# Altium PCB AltitudeDynamicsControlBoard.PcbDoc (part 2 of 3) (continued)
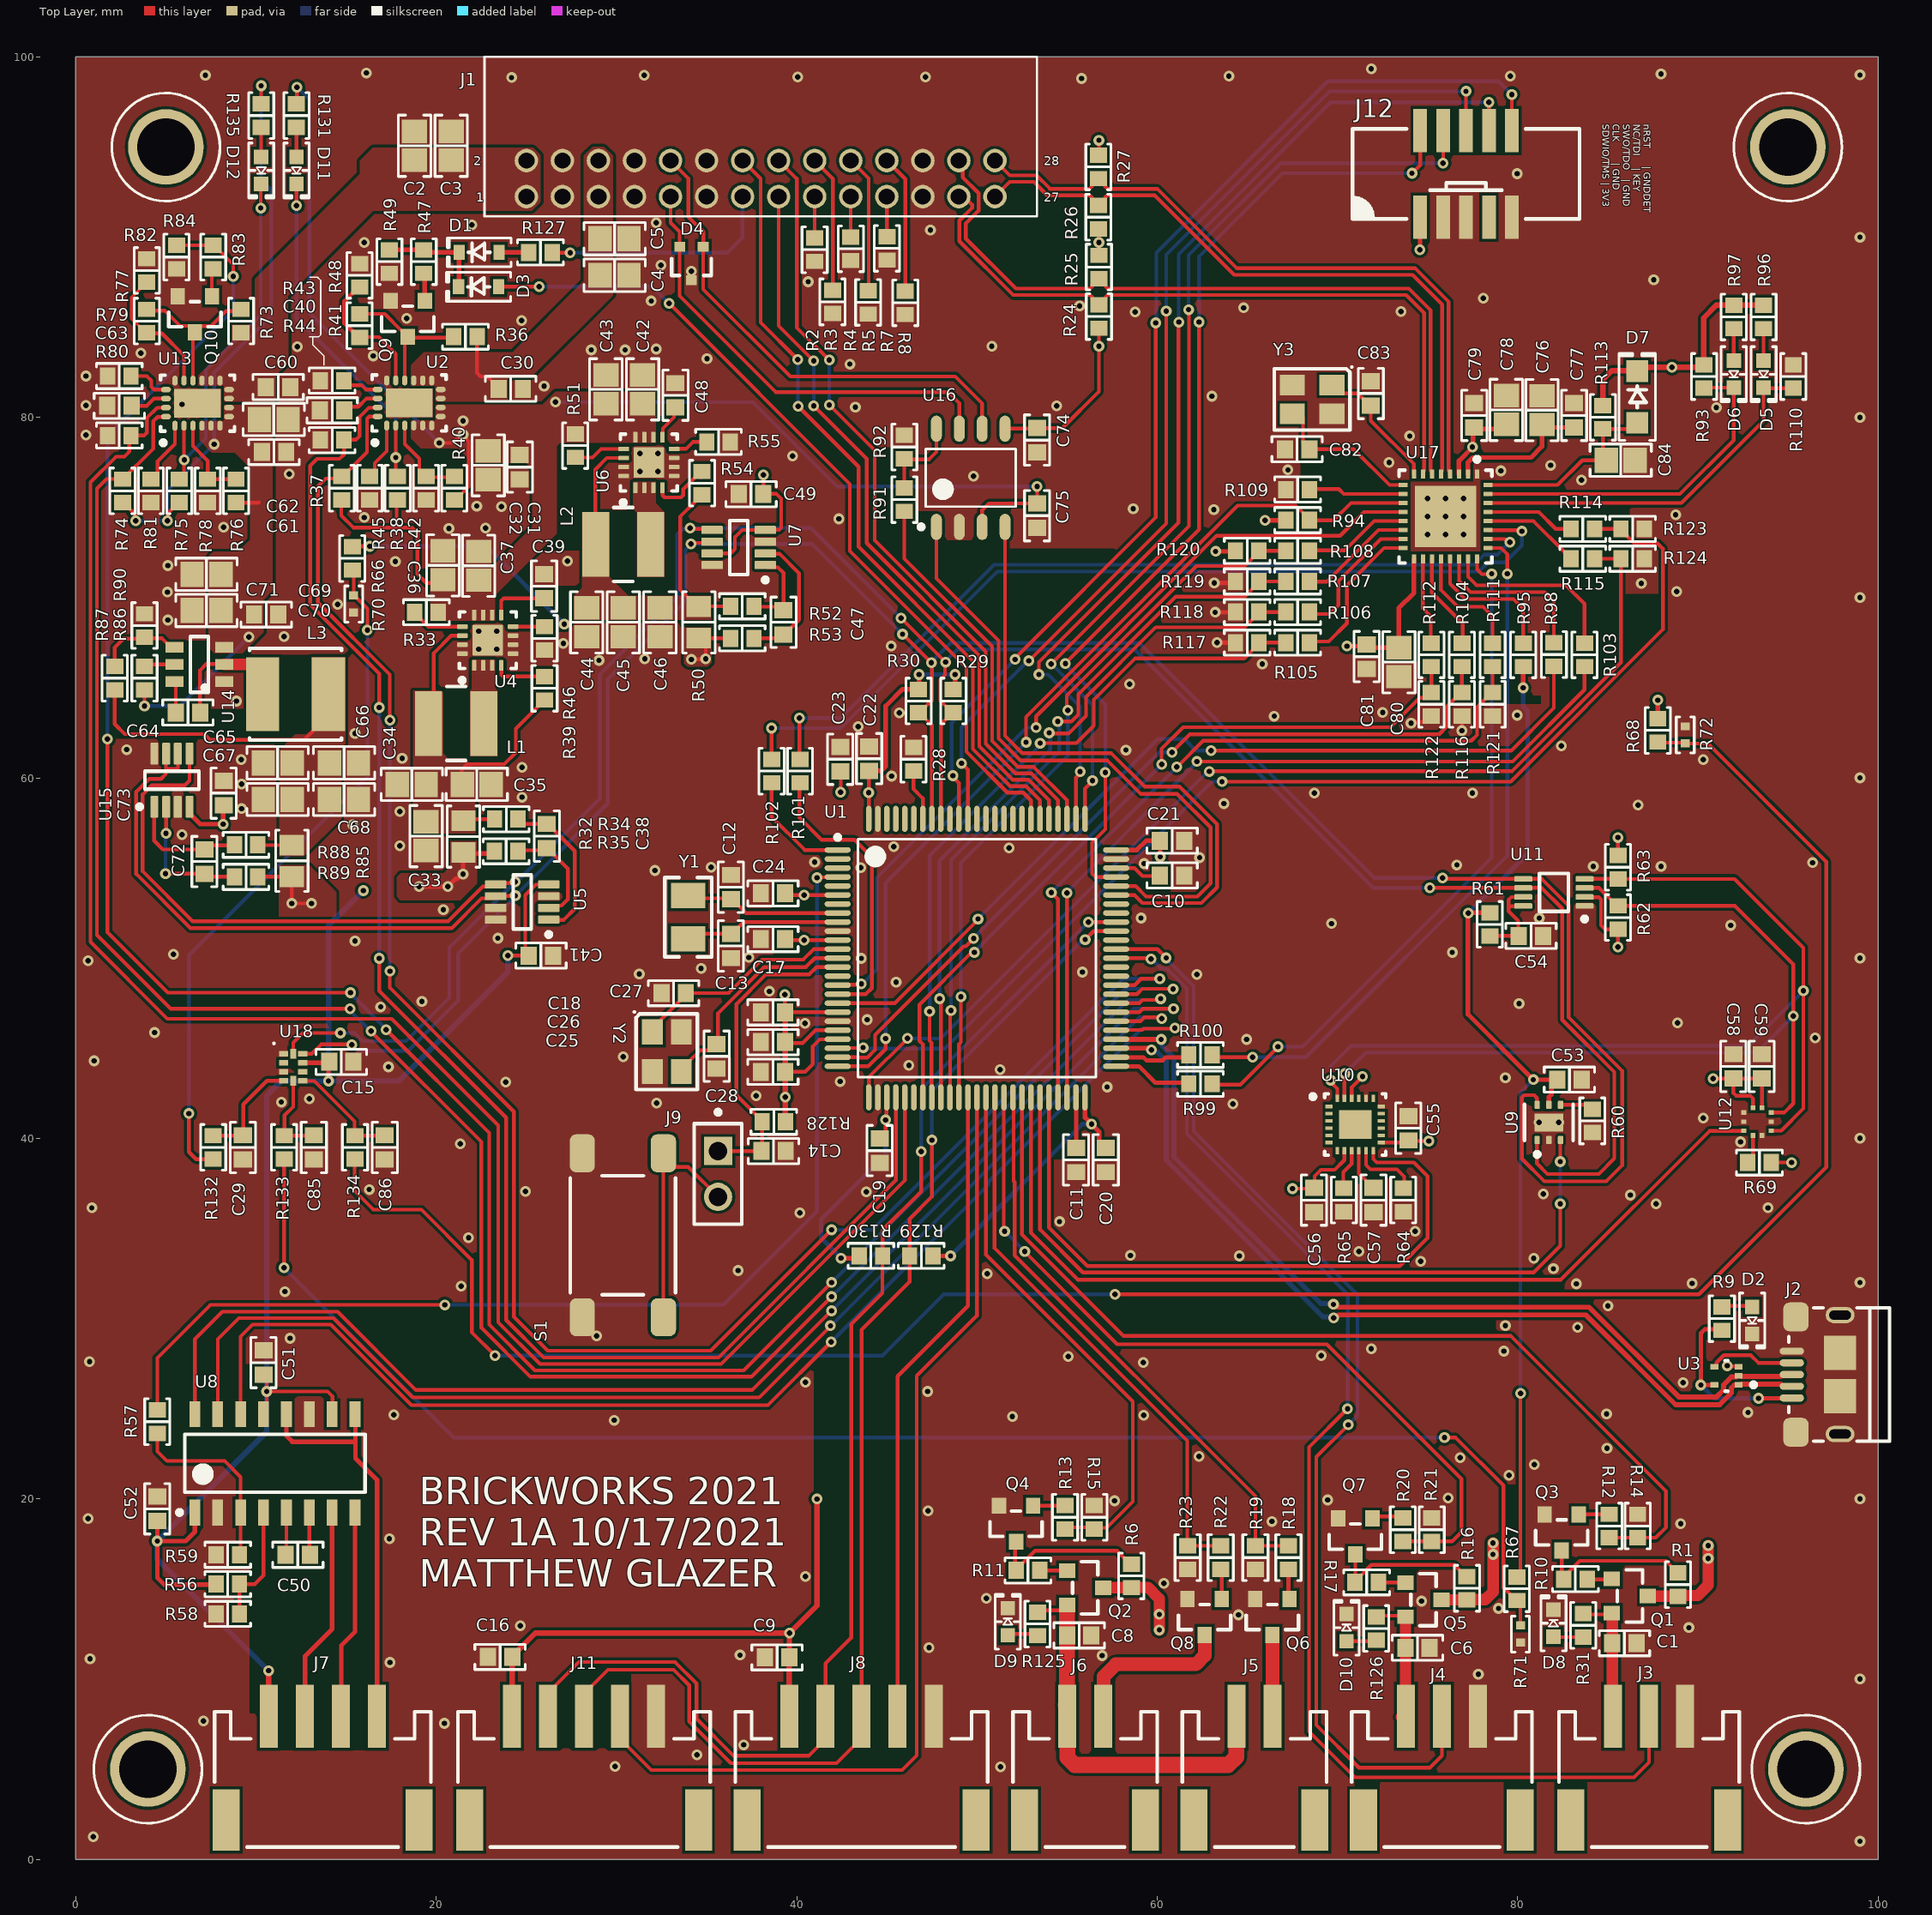
[diagram p0: Top Layer view]
## Nets (pads, with @x,y where several pads share a name; then routed paths per layer and width w, separated by ;. In a path a pad name is that pad's centre, name@x,y a point inside that pad or via, vN(x,y) a via of type N, cw(c..) or ccw(c..) an arc to the next point about the centre after c; other vN are vias at no path point) (continued)
  Bottom Layer w0.203: v1(80.162,25.857) 80.162,42.545 v1@80.823,43.205
  Bottom Layer w0.254: v1(16.307,72.847) 22.784,72.847 v1(27.102,68.529) ; v1(42.467,33.352) 41.351,34.468 41.351,35.509 44.933,39.091 v1(44.933,41.021) ; v1(46.787,65.735) v1(48.789,65.735) ; v1(48.539,33.477) 55.855,40.792 v1(56.363,40.792) ; v1(77.267,52.502) 80.559,55.794 80.559,63.715 80.315,63.959 v1(80.315,64.999)
  Bottom Layer w0.305: v1(10.693,10.465) 4.521,16.637 v1(4.521,17.653) 10.592,23.724 v1(10.592,25.959) 10.592,42.367 11.405,43.18 v1(14.021,43.18) ; v1(15.951,53.746) 14.021,51.816 v1(14.021,43.18) ; v1@23.952,50.165 v1(23.978,50.14) 23.978,49.225 17.932,43.18 v1(14.021,43.18)
+5: C31.2 C32.2 C36.2 C37.2 C42.2 C43.2 C75.2 Q2.3 R6.2 R33.2 R37.2 R38.2 R40.2 R51.2 R131.1 U2.4 U2.5 U2.6 U2.7 U2.8 U4.10 U4.11 U4.12 U6.10 U6.11 U6.12 U16.3 | length 79.8
  Top Layer w0.203: R131.1@12.243,97.399 12.268,97.424 v1(12.268,98.323) ; R37.2@14.402,75.1 14.725,75.423 R37.2@14.757,75.423 ; R37.2@14.732,75.133 14.732,74.549 15.392,73.889 18.644,73.889 18.948,73.584 18.948,71.323 19.456,70.815 C36.2@20.015,70.815 ; 17.805,73.914 17.805,75.372 R38.2@17.856,75.423 ; v1(20.168,78.588) 20.904,78.588 21.361,79.045 v1@21.463,79.045 ; R40.2@21.006,75.423 21.056,75.423 21.793,76.16 21.793,78.671 21.463,79.001 v1@21.463,79.045 ; v1@21.463,79.096 v1@21.463,79.045 ; v1(21.488,79.045) v1(21.488,79.807) ; U16.3@50.241,74.219 50.292,74.27 50.292,74.854 50.662,75.224 C75.2@53.34,75.224 v1(53.34,76.175)
  Top Layer w0.635: Q2.3@56.921,15.088 56.942,15.067 58.567,15.067 R6.2@58.572,15.073 58.587,15.088 59.487,15.088 60.122,14.453 v1(60.122,12.725)
  Bottom Layer w0.203: v1(12.268,98.323) 12.954,97.638 12.954,85.801 v1(20.168,78.588) ; v1(26.619,80.848) 37.567,80.848 42.24,76.175 v1(53.34,76.175)
  other v1: 60.122,13.589
+5_Supply: C4.2 C5.2 C30.2 J1.5 J1.6 R36.2 U2.9 U2.10 U2.11 U2.12 U2.13 | length 3.6
  Top Layer w0.203: R36.2@22.265,84.48 22.265,82.459 22.454,82.271 22.819,82.271 23.444,81.646 C30.2@23.444,81.585
+12: C61.2 C62.2 C69.2 C70.2 C71.1 R74.2 R75.2 R76.2 R86.1 R135.2 U13.4 U13.5 U13.6 U13.7 U13.8 U14.3 | length 41.9
  Top Layer w0.203: R74.2@2.591,75.271 2.641,75.271 3.279,74.633 3.279,74.242 v1@3.302,74.219 ; v1(3.81,63.983) R86.1@3.81,64.882 ; v1(5.08,74.27) 5.129,74.318 5.129,74.709 5.69,75.271 R75.2@5.74,75.271 ; R76.2@8.738,75.209 8.799,75.271 R76.2@8.89,75.271 10.145,75.271 10.16,75.286 ; R135.2@10.287,97.399 v1(10.287,98.4)
  Bottom Layer w0.203: v1(3.327,74.27) v1(5.08,74.27) ; v1(3.81,63.983) 5.766,63.983 v1(9.601,67.818) ; v1@5.131,74.27 5.129,74.272 5.129,74.387 5.08,74.436 5.08,75.921 v1(7.671,78.511) 7.671,82.474 10.846,85.649 10.846,92.608 10.287,93.167 v1(10.287,98.4)
+12_Supply: C2.2 C3.2 C60.2 J1.1 J1.2 R73.2 U13.9 U13.10 U13.11 U13.12 U13.13
ETH_RX_N: J1.28 R27.1 U17.4 | length 38.6
  Top Layer w0.208: J1.28@51,94.25 51.82,93.43 53.311,93.43 54.054,92.687 56.251,92.687 56.372,92.808 56.372,92.933 56.694,93.254 56.794,93.254 57.115,92.933 57.115,92.808 57.236,92.687 60.012,92.687 64.427,88.271 74.322,88.271 76.18,86.413 76.18,77.055 76.25,76.985 U17.4@76.25,76.85
ETH_RX_P: J1.27 R26.1 U17.5 | length 38
  Top Layer w0.208: J1.27@51,92.25 51.82,93.07 53.162,93.07 53.905,92.327 56.251,92.327 56.372,92.205 56.372,92.081 56.694,91.76 56.794,91.76 57.115,92.081 57.115,92.205 57.236,92.327 59.862,92.327 64.278,87.911 74.173,87.911 75.82,86.264 75.82,77.055 75.75,76.985 U17.5@75.75,76.85
ETH_TX_N: J1.26 R25.1 U17.6 | length 42.2
  Top Layer w0.208: J1.26@49,94.25 49.209,94.041 49.209,93.323 50.094,92.438 50.094,91.475 49.388,90.769 49.388,89.924 52.163,87.15 56.276,87.15 56.398,87.271 56.398,87.37 56.719,87.691 56.819,87.691 57.14,87.37 57.14,87.271 57.262,87.15 73.97,87.15 75.18,85.94 75.18,77.055 75.25,76.985 U17.6@75.25,76.85
ETH_TX_P: J1.25 R24.1 U17.7 | length 40.2
  Top Layer w0.208: J1.25@49,92.25 49.28,92.25 49.734,91.796 49.734,91.624 49.028,90.919 49.028,89.775 52.014,86.79 56.276,86.79 56.398,86.668 56.398,86.569 56.719,86.248 56.819,86.248 57.14,86.569 57.14,86.668 57.262,86.79 73.821,86.79 74.82,85.791 74.82,77.055 74.75,76.985 U17.7@74.75,76.85
GND: C1.1 C2.1 C3.1 C4.1 C5.1 C6.1 C8.1 C9.1 C10.1 C11.1 C12.1 C13.1 C14.1 C15.1 C16.1 C17.1 C18.1 C19.1 C20.1 C21.1 C22.1 C23.1 C24.1 C25.1 C26.1 C27.1 C28.1 C29.1 C30.1 C31.1 C32.1 C33.1 C34.1 C35.1 C36.1 C37.1 C39.1 C40.1 C41.1 C42.1 C43.1 C44.1 C45.1 C46.1 C48.1 C49.1 C51.1 C52.1 C53.1 C54.1 C55.1 C56.1 C57.1 C58.1 C59.1 C60.1 C61.1 C62.1 C63.1 C65.1 C66.1 C67.1 C68.1 C69.1 C70.1 C71.2 C73.1 C74.1 C75.1 C76.1 C77.1 C78.1 C79.1 C80.1 C81.1 C82.2 C83.2 C84.1 C85.1 C86.1 D2.2 D4.3 D8.2 D9.2 D10.2 J1.3 J1.4 J1.7 J1.8 J1.11 J1.12 J1.23 J1.24 J2.5 J2.S J3.1 J4.1 J8.1 J11.1 J12.2 J12.3 J12.5 Q3.2 Q4.2 Q6.2 Q7.2 Q8.2 Q9.2 Q10.2 R2.2 R3.2 R4.2 R5.2 R7.2 R8.2 R14.1 R15.1 R19.1 R21.1 R23.1 R28.2 R42.1 R43.1 R44.1 R45.1 R46.1 R48.1 R49.1 R55.1 R58.1 R59.1 R60.1 R64.2 R65.2 R70.1 R71.1 R72.1 R78.1 R79.1 R80.1 R81.1 R82.1 R84.1 R90.1 R92.1 R109.1 R110.1 R116.1 R117.1 R118.1 R119.1 R121.1 R122.1 R123.1 R124.1 S1.1 S1.2 U1.10 U1.20 U1.27 U1.74 U1.99 U2.16 U2.21 U3.3 U4.5 U4.6 U4.7 U4.15 U4.16 U4.17@22.86,67.64 U5.3 U5.7 U5.8 U6.5 U6.6 U6.7 U6.15 U6.16 U6.17@31.8,77.5 U7.3 U7.8 U8.2 U8.11 U9.2 U9.7 U10.18 U10.20 U11.1 U12.3 U12.5 U12.8 U12.9 U13.16 U13.21 U14.1 U15.3 U15.8 U16.2 U17.1 U17.33 U18.1 U18.3 Y2.2 Y2.4 Y3.2 Y3.4 | length 6.4
  Top Layer w0.203: v1(74.092,63.043) 74.16,63.111 74.892,63.111 R122.1@75.216,63.434 ; J12.2@75.819,91.161 J12.2@75.87,91.211 ; v1(76.911,62.617) 76.911,63.43 R116.1@76.916,63.434 ; R121.1@78.616,63.434 R121.1@78.732,63.551 ; v1(91.643,27.381) 91.673,27.352 92.238,27.352 U3.3@92.267,27.322
  Top Layer w0.254: v1(63.17,70.815) 64.265,70.815 R119.1@64.35,70.9 ; v1(63.221,69.19) 64.34,69.19 R118.1@64.35,69.2 ; v1(63.322,67.513) 64.337,67.513 R117.1@64.35,67.5
  other v1: 99,1 0.965,1.245 51.308,5.131 29.921,5.156 34.468,5.791 37.059,6.35 20.447,7.544 7.087,7.671 99,10 77.826,10.262 17.424,10.922 0.787,11.125 56.947,11.303 36.855,11.328 47.346,11.735 89.51,12.852 24.663,12.954 64.516,13.564 78.943,13.919 74.676,14.326 50.521,14.478 60.376,15.316 40.488,15.697 17.399,17.78 89.052,18.618 66.37,18.745 0.686,18.898 47.295,19.329 57.633,19.888 69.469,19.939 99,20 76.149,20.041 79.527,21.311 80.924,21.895 76.81,22.276 62.332,22.352 84.963,22.809 29.87,24.359 51.968,24.562 59.258,24.638 17.653,24.663 84.938,24.714 92.786,24.79 47.269,25.959 89.179,26.441 40.488,26.467 59.233,27.559 0.762,27.61 55.067,27.889 69.113,27.94 79.248,28.194 71.882,28.321 11.887,28.905 28.905,29.032 83.337,29.515 79.324,29.615 85.014,30.709 11.608,31.496 21.387,31.801 83.261,31.928 89.687,31.953 99,32 50.571,32.487 36.754,32.664 81.991,32.766 74.625,33.172 80.899,33.35 64.567,33.477 58.522,33.503 71.196,33.731 21.793,34.493 74.32,34.849 54.585,35.382 40.183,35.865 0.889,36.144 93.904,36.144 87.681,36.373 86.258,36.855 81.432,36.906 43.866,37.033 24.943,37.059 16.281,37.16 21.336,39.7 92.38,39.802 99,40 81.187,40.884 82.287,40.884 90.297,41.123 64.211,41.91 32.233,41.961 11.405,42.012 12.954,42.189 37.744,42.367 57.226,42.85 23.851,43.129 42.418,43.155 79.324,43.358 51.283,43.815 17.348,43.967 46.228,44.044 1.016,44.298 30.378,44.526 64.973,45.491 96.52,45.568 4.369,45.872 40.462,46.38 88.875,46.406 43.917,46.584 16.916,47.295 80.086,47.473 19.202,47.6 38.481,48.158 45.517,48.666 62.205,49.098 31.267,49.124 55.855,49.225 34.696,49.428 0.686,49.86 43.586,49.987 99,50 37.338,50.038 5.41,50.216 76.378,50.317 15.494,50.952 23.419,51.105 91.821,51.816 69.672,51.918 59.106,52.222 81.204,52.222 20.396,52.68 32.131,54.864 43.561,55.016 35.255,55.042 84.201,55.093 87.96,55.093 76.632,55.169 59.284,55.245 96.368,55.296 40.996,55.321 62.357,55.575 51.791,56.109 45.39,56.185 17.983,56.236 5.893,56.845 15.367,57.404 17.978,58.141 9.195,58.293 86.69,58.496 63.703,58.572 24.765,58.928 68.732,59.161 77.495,59.161 9.195,59.665 99,60 45.263,60.096 24.765,60.579 9.169,61.011 90.297,61.011 18.11,61.087 58.268,61.544 2.819,61.57 82.423,61.773 15.494,62.459 43.409,62.84 66.497,63.424 79.98,63.475 45.695,63.602 72.517,63.627 8.915,64.262 58.471,65.202 65.837,66.319 29.032,66.523 31.572,66.599 22.36,67.14 23.36,67.14 45.237,67.31 27.051,67.462 11.557,67.843 22.36,68.14 23.36,68.14 5.105,68.758 14.529,69.621 99,70 5.08,70.307 88.824,70.333 86.868,70.79 5.105,71.78 17.729,72.009 27.28,72.034 75,73.5 76,73.5 77,73.5 20.701,73.838 22.733,73.863 8.204,73.914 42.342,74.371 16.002,74.447 75,74.5 76,74.5 77,74.5 88.773,74.6 63.144,74.879 58.674,74.93 23.622,75.057 22.25,75.082 75,75.5 76,75.5 77,75.5 83.541,76.53 49.809,76.733 11.836,76.86 31.3,77 32.3,77 79.07,77.038 67.259,77.089 81.839,77.343 72.873,77.495 39.776,77.851 31.3,78 32.3,78 74.016,78.969 0.559,79.019 99,80 91.034,80.543 43.256,80.569 54.432,80.645 0.559,80.67 5.893,80.721 63.043,81.178 25.984,81.737 0.559,82.296 42.951,82.956 35.027,83.261 16.51,83.414 3.607,83.566 28.6,83.744 30.48,83.744 32.207,83.795 12.294,83.922 50.825,83.947 24.74,85.369 18.364,85.496 58.776,85.852 73.533,85.877 64.795,86.081 55.702,86.182 31.928,86.462 78.105,86.614 40.64,87.528 87.554,87.63 34.163,88.113 32.461,88.443 16.002,89.713 99,90 47.422,90.399 21.971,90.678 32.207,90.805 79.985,93.523 55.804,98.806 24.181,98.857 40.056,98.882 47.142,98.882 63.983,98.933 79.604,98.933 7.188,98.984 31.547,98.984 99,99 87.96,99.06 16.129,99.111 71.882,99.339
NetC1_2: C1.2 J3.3 Q1.2 R31.2 | length 6.8
  Top Layer w0.203: R31.2@83.642,13.629 83.683,13.589 Q1.2@85.192,13.589
  Top Layer w0.635: Q1.2@85.233,13.655 85.266,13.622 85.266,8.46 J3.3@85.268,8.458
NetC6_2: C6.2 J4.3 Q5.2 R126.2 | length 7.5
  Top Layer w0.203: R126.2@72.161,13.452 72.223,13.513 Q5.2@73.965,13.513
  Top Layer w0.635: J4.3@73.558,7.899 73.778,8.119 Q5.2@73.778,13.452
NetC8_2: C8.2 J5.2 J6.2 Q2.2 R125.2 | length 22
  Top Layer w0.203: R125.2@53.01,13.477 53.35,13.818 54.864,13.818 54.864,13.462
  Top Layer w0.889: J6.2@54.94,8.56 55.003,8.623 55.003,13.932 55.016,13.945 Q2.2@55.007,13.945 ; J6.2@54.966,7.823 55.016,7.772 55.016,5.639 55.423,5.232 63.941,5.232 64.389,5.681 64.389,7.922 J5.2@64.4,7.933
NetC10_2: C10.2 U1.73 | length 2.9
  Top Layer w0.203: U1.73@57.725,55 57.734,54.991 58.75,54.991 59.182,54.559 59.893,54.559 C10.2@60.274,54.94
NetC11_2: C11.2 U1.49 | length 2.9
  Top Layer w0.237: U1.49@55.5,42.275 55.5,39.623 C11.2@55.677,39.446
NetC12_2: C12.2 U1.8 Y1.1 | length 8.5
  Top Layer w0.203: Y1.1@34.087,53.315 36.297,53.315 C12.2@36.347,53.264 ; C12.2@36.398,53.289 36.398,53.263 36.746,52.915 36.772,52.915 37.187,52.5 U1.8@42.275,52.5
NetC13_2: C13.2 U1.9 Y1.2 | length 8.4
  Top Layer w0.203: Y1.2@34.188,51.359 34.199,51.348 C13.2@36.347,51.348 ; C13.2@36.322,51.384 36.434,51.384 37.049,52 U1.9@42.275,52
NetC14_2: C14.2 J9.1 R128.2 U1.14 | length 17.8
  Top Layer w0.203: J9.1@35.636,39.167 35.764,39.294 C14.2@38.042,39.294 ; C14.2@38.075,39.192 38.085,39.203 R128.2@38.085,40.919 ; R128.2@38.075,40.945 38.075,40.98 36.652,42.402 36.652,47.447 38.303,49.098 40.701,49.098 41.102,49.5 U1.14@42.275,49.5
NetC27_2: C27.2 U1.12 Y2.1 | length 12.6
  Top Layer w0.203: Y2.1@31.991,45.906 31.991,46.114 33.499,47.621 33.499,47.658 33.872,48.031 C27.2@33.985,48.031 ; C27.2@33.847,48.057 36.22,48.057 38.075,49.911 40.361,49.911 40.95,50.5 U1.12@42.275,50.5 42.337,50.5 U1.12@42.367,50.47
NetC28_2: C28.2 U1.13 Y2.3 | length 11.7
  Top Layer w0.203: Y2.3@33.96,44.221 33.982,44.221 34.639,44.878 35.212,44.878 C28.2@35.56,45.227 ; C28.2@35.636,45.212 35.636,46.939 38.202,49.505 40.513,49.505 41.008,50 U1.13@42.275,50
NetC29_2: C29.2 R132.2 U18.4 | length 6.2
  Top Layer w0.203: R132.2@7.62,40.147 9.205,40.147 C29.2@9.246,40.107 ; C29.2@9.322,40.157 9.296,40.183 9.296,41.885 10.604,43.192 U18.4@11.54,43.192
NetC33_2: C33.2 C34.2 C35.2 L1.2 R32.1 R34.2 R39.2 U4.14 | length 15.6
  Top Layer w0.203: L1.2@19.456,62.738 19.863,63.144 19.863,66.929 20.824,67.89 U4.14@21.46,67.89 ; C35.2@21.361,59.741 21.412,59.792 21.412,60.452 21.717,60.757 23.774,60.757 24.409,61.392 24.409,62.723 25.636,63.95 25.636,64 25.96,64.323 R39.2@26.01,64.323 ; R32.1@21.742,57.734 21.768,57.709 R34.2@23.236,57.709
NetC38_1: C38.1 R35.1 U5.2 | length 6.2
  Top Layer w0.203: R35.1@24.511,55.982 26.024,55.982 C38.1@26.137,56.094 ; C38.1@26.213,56.058 26.223,56.058 26.535,55.746 26.535,55.736 27.305,54.966 27.305,53.264 26.951,52.91 26.363,52.91 U5.2@26.24,52.786
NetC38_2: C38.2 R34.1 U5.1 | length 8.4
  Top Layer w0.203: R34.1@24.511,57.531 24.598,57.444 C38.2@26.137,57.444 26.187,57.444 27.686,55.945 27.686,52.73 27.076,52.121 26.594,52.121 U5.1@26.568,52.146
NetC39_2: C39.2 U4.9 | length 3.3
  Top Layer w0.203: U4.9@23.622,68.986 23.61,68.998 U4.9@23.61,69.04 23.61,69.831 23.741,69.962 C39.2@25.984,69.962
NetC40_2: C40.2 U2.18 | length 2.1
  Top Layer w0.203: C40.2@14.899,80.391 15.102,80.594 15.672,80.594 16.119,81.041 16.741,81.041 U2.18@16.75,81.05
NetC44_2: C44.2 C45.2 C46.2 L2.2 R50.1 R52.2 R54.2 U6.14 | length 14.1
  Top Layer w0.203: L2.2@28.829,73.482 28.829,77.114 29.465,77.75 U6.14@30.4,77.75 ; R50.1@34.315,69.545 34.315,69.66 33.533,70.442 33.533,74.488 34.374,75.329 34.374,75.379 34.697,75.702 R54.2@34.747,75.702 ; R50.1@34.747,69.494 34.773,69.52 R52.2@36.332,69.52
NetC47_1: C47.1 R53.1 U7.2 | length 7.9
  Top Layer w0.203: R53.1@37.632,67.742 39.014,67.742 C47.1@39.192,67.92 ; U7.2@38.256,72.456 38.273,72.439 39.042,72.439 40.132,71.349 40.132,68.769 39.319,67.957 C47.1@39.319,67.945 ; C47.1@39.167,67.869 C47.1@39.319,68.021
NetC47_2: C47.2 R52.1 U7.1 | length 5
  Top Layer w0.203: R52.1@37.567,69.494 39.08,69.494 C47.2@39.268,69.306 39.268,71.374 38.957,71.686 38.376,71.686 U7.1@38.256,71.806
NetC48_2: C48.2 U6.9 | length 2
  Top Layer w0.203: U6.9@32.55,78.9 32.573,78.923 32.573,79.386 33.198,80.01 33.198,80.518 C48.2@33.274,80.594
NetC50_1: C50.1 U8.5 | length 2.6
  Top Layer w0.203: C50.1@11.633,16.713 11.684,16.764 U8.5@11.684,19.246
NetC50_2: C50.2 U8.6 | length 2.5
  Top Layer w0.203: C50.2@12.878,16.815 12.954,16.891 U8.6@12.954,19.246
NetC54_2: C54.2 R61.1 U11.7 U11.8 | length 5.6
  Top Layer w0.203: R61.1@78.511,51.156 78.588,51.232 C54.2@80.035,51.232 ; 79.553,52.883 80.305,52.883 U11.8@80.317,52.895 ; C54.2@80.072,51.232 C54.2@80.035,51.232 ; C54.2@80.086,51.156 80.035,51.206 C54.2@80.035,51.232 ; U11.7@80.317,53.395 80.313,53.391 79.654,53.391 79.502,53.238 79.502,52.603 80.035,52.07 C54.2@80.035,51.232
NetC57_2: C57.2 U10.10 | length 2.3
  Top Layer w0.203: U10.10@71.193,39.317 71.193,38.052 71.611,37.635 71.611,37.599 71.847,37.363 C57.2@71.882,37.363
NetC63_2: C63.2 U13.18 | length 2.1
  Top Layer w0.203: C63.2@3.088,80.645 3.937,80.645 4.334,81.042 U13.18@5.001,81.042
NetC64_1: C64.1 L3.1 U14.2 | length 5.7
  Top Layer w0.203: C64.1@6.898,63.627 6.898,65.978 7.239,66.319 8.128,66.319 U14.2@8.179,66.269
  Top Layer w0.508: L3.1@10.058,66.294 L3.1@10.084,66.319
  Top Layer w0.635: U14.2@8.233,66.294 L3.1@10.058,66.294
NetC64_2: C64.2 U14.6 | length 1.8
  Top Layer w0.203: C64.2@5.548,63.627 5.548,65.314 U14.6@5.613,65.38
NetC65_2: C65.2 C66.2 C67.2 C68.2 L3.2 R85.1 R87.2 R88.2 | length 16.1
  Top Layer w0.203: R87.2@2.159,64.882 2.159,62.992 2.718,62.433 7.148,62.433 7.478,62.103 12.649,62.103 13.194,62.647 13.194,62.695 13.665,63.166 L3.2@13.665,63.221 ; R88.2@10.185,56.312 10.225,56.272 R85.1@11.989,56.272
NetC72_1: C72.1 R89.1 U15.2 | length 7.4
  Top Layer w0.203: U15.2@4.928,58.445 5.006,58.367 5.006,56.924 v1(5.004,56.921) ; v1@4.978,54.635 5.025,54.682 C72.1@7.137,54.682 ; v1(4.978,54.686) 4.978,54.737 v1@5.029,54.788 ; C72.1@7.341,54.712 C72.1@7.536,54.516 ; C72.1@7.434,54.516 8.791,54.516 R89.1@8.799,54.508
  Bottom Layer w0.203: v1(4.978,54.686) 4.978,56.591 5.004,56.617
NetC72_2: C72.2 R88.1 U15.1 | length 6.4
  Top Layer w0.203: U15.1@4.293,58.217 4.343,58.166 4.343,56.515 4.826,56.032 C72.2@7.137,56.032 ; C72.2@7.315,56.032 C72.2@7.536,56.253 ; C72.2@7.434,56.253 8.765,56.253 R88.1@8.799,56.286
NetC76_2: C76.2 C77.2 U17.2 | length 7.8
  Top Layer w0.254: U17.2@77.25,76.85 77.25,77.504 77.521,77.775 80.747,77.775 81.356,78.384 C76.2@81.356,79.299 ; C76.2@81.432,79.299 81.57,79.437 C77.2@83.134,79.437
NetC82_1: C82.1 U17.9 Y3.3 | length 7.8
  Top Layer w0.203: Y3.3@68.097,79.985 68.097,78.577 C82.1@68.442,78.232 ; C82.1@68.605,78.257 68.631,78.232 70.917,78.232 72.899,76.25 U17.9@73.65,76.25
NetC83_1: C83.1 U17.8 Y3.1 | length 7.2
  Top Layer w0.203: Y3.1@69.7,81.8 70.173,81.327 71.136,81.327 71.487,80.975 C83.1@71.704,80.975 ; C83.1@71.857,80.696 C83.1@71.857,80.656 71.857,79.807 74.25,77.413 U17.8@74.25,76.85
NetC84_2: C84.2 D7.1 R113.1 U17.32 | length 10.9
  Top Layer w0.203: U17.32@78.35,76.25 82.219,76.25 83.591,77.622 C84.2@84.887,77.622 ; C84.2@84.734,77.673 R113.1@84.734,79.36 86.65,79.36 D7.1@86.766,79.477
NetC85_2: C85.2 R133.2 U18.5 | length 5.2
  Top Layer w0.203: R133.2@11.633,40.081 11.582,40.132 R133.2@11.582,40.147 ; U18.5@12.065,43.192 12.065,41.758 11.582,41.275 R133.2@11.582,40.147 ; C85.2@13.437,40.157 13.426,40.147 R133.2@11.582,40.147
NetC86_2: C86.2 R134.2 U18.6 | length 6.6
  Top Layer w0.203: U18.6@12.59,43.192 U18.6@12.627,43.155 ; U18.6@12.624,43.18 13.233,43.18 15.469,40.945 15.469,40.172 R134.2@15.494,40.147 17.359,40.147 C86.2@17.45,40.056
NetD1_1: D1.1 R127.2 | length 1.6
  Top Layer w0.254: D1.1@23.495,89.154 R127.2@25.131,89.154
NetD1_2: D1.2 D3.2 R47.2 R49.2 | length 5.8
  Top Layer w0.254: R49.2@17.399,89.296 R47.2@19.304,89.296 19.446,89.154 D1.2@21.27,89.154 21.255,89.139 21.255,87.264 D3.2@21.24,87.249
NetD2_1: D2.1 R9.1 | length 1.6
  Top Layer w0.203: R9.1@91.415,30.709 92.952,30.709 D2.1@93.015,30.646
NetD3_1: D3.1 U1.82 | length 47.3
  Top Layer w0.203: D3.1@23.464,87.249 v1(25.705,87.249) ; v1(32.918,86.335) 42.951,76.302 42.951,72.593 49.421,66.124 49.421,61.455 51.694,59.182 52.573,59.182 53,58.755 U1.82@53,57.725
  Bottom Layer w0.203: v1(25.705,87.249) 31.979,87.249 32.893,86.335 v1(32.918,86.335)
NetD4_1: D4.1 J1.10 U16.6 | length 27.2
  Top Layer w0.203: J1.10@33,94.25 33.985,93.265 33.985,91.135 34.823,90.297 D4.1@34.823,89.484 ; D4.1@34.813,89.469 34.813,87.107 39.649,82.271 48.793,82.271 50.292,80.772 50.292,79.604 U16.6@50.317,79.578
NetD4_2: D4.2 J1.9 U16.7 | length 25.1
  Top Layer w0.203: J1.9@33,92.25 33,90.8 33.503,90.297 D4.2@33.503,89.469 ; D4.2@33.426,89.433 33.503,89.357 33.503,86.741 38.837,81.407 48.412,81.407 49.022,80.797 U16.7@49.022,79.375
NetD5_1: D5.1 R96.1 | length 1.7
  Top Layer w0.203: R96.1@93.65,84.923 93.65,83.337 D5.1@93.751,83.236
NetD5_2: D5.2 R110.2 U17.30 | length 20.6
  Top Layer w0.203: U17.30@78.35,75.25 89.093,75.25 93.65,79.807 93.65,81.585 93.686,81.621 R110.2@95.301,81.621
NetD6_1: D6.1 R97.1 | length 1.7
  Top Layer w0.203: R97.1@91.999,84.923 91.999,83.236 D6.1@92.024,83.21
NetD6_2: D6.2 R93.1 U17.31 | length 19.4
  Top Layer w0.203: U17.31@78.334,75.743 78.341,75.75 U17.31@78.35,75.75 89.009,75.75 91.999,78.74 91.999,81.483 D6.2@91.897,81.585 ; R93.1@90.424,81.661 90.437,81.648 D6.2@91.999,81.648
NetD8_1: D8.1 R31.1 | length 2
  Top Layer w0.203: D8.1@81.686,12.446 81.803,12.329 R31.1@83.642,12.329
NetD9_1: D9.1 R125.1 | length 1.7
  Top Layer w0.203: D9.1@51.689,12.497 53.274,12.497 R125.1@53.365,12.406
NetD10_1: D10.1 R126.1 | length 1.8
  Top Layer w0.203: D10.1@70.51,12.102 72.276,12.102 R126.1@72.314,12.065
NetD11_1: D11.1 R131.2 | length 1.8
  Top Layer w0.203: D11.1@12.243,94.451 R131.2@12.243,96.099 12.243,96.139 R131.2@12.294,96.19
NetD11_2: D11.2 R38.1 U2.2 | length 20.4
  Top Layer w0.203: v1(12.243,91.745) D11.2@12.243,92.951 ; U2.2@17.75,79.55 17.75,76.662 R38.1@17.755,76.657
  Bottom Layer w0.203: v1(12.243,91.745) 12.243,85.496 17.755,79.985 v1(17.755,77.775)
NetD12_1: D12.1 R135.1 | length 1.5
  Top Layer w0.203: R135.1@10.211,95.961 10.287,95.885 D12.1@10.287,94.451
NetD12_2: D12.2 R75.1 U13.2 | length 20.1
  Top Layer w0.203: R75.1@5.918,76.556 6.001,76.638 U13.2@6.001,79.542 ; v1(10.262,91.618) 10.262,92.925 D12.2@10.287,92.951
  Bottom Layer w0.203: v1(6.02,77.648) 7.214,78.842 7.214,82.626 10.262,85.674 v1(10.262,91.618)
NetJ1_13: J1.13 R127.1 | length 13.2
  Top Layer w0.203: R127.1@26.431,89.154 26.456,89.129 v1(27.432,89.129)
  Bottom Layer w0.203: v1(27.432,89.129) 36.144,89.129 36.982,89.967 36.982,92.177 J1.13@37.059,92.253
NetJ1_14: J1.14 U1.81 | length 43.9
  Top Layer w0.203: J1.14@37,94.25 37.998,93.252 37.998,85.268 v1(40.056,83.21) ; v1(40.081,80.62) 43.434,77.267 43.434,72.822 49.776,66.479 49.776,61.603 51.842,59.538 52.72,59.538 53.5,58.758 U1.81@53.5,57.725
  Bottom Layer w0.203: v1(40.056,83.21) 40.069,83.198 40.069,80.632 v1(40.081,80.62)
NetJ1_15: J1.15 U1.80 | length 41.3
  Top Layer w0.203: J1.15@39,92.25 39,85.079 v1(40.945,83.134) ; v1(40.945,80.645) 43.891,77.699 43.891,73.025 50.132,66.784 50.132,61.75 51.989,59.893 52.867,59.893 54,58.761 U1.80@54,57.725
  Bottom Layer w0.203: v1(40.945,80.645) v1(40.945,83.134)
NetJ1_16: J1.16 U1.79 | length 43.5
  Top Layer w0.203: J1.16@39,94.25 40.005,93.245 40.005,84.988 v1(41.808,83.185) ; v1(41.808,80.696) 44.323,78.181 44.323,73.177 50.488,67.013 50.488,61.897 52.136,60.249 53.015,60.249 54.5,58.763 U1.79@54.5,57.725
  Bottom Layer w0.203: v1(41.808,80.696) v1(41.808,83.185)
NetJ1_17: J1.17 R2.1 | length 2.4
  Top Layer w0.203: R2.1@40.97,90.043 41,90.073 J1.17@41,92.25
  Top Layer w0.254: J1.17@41,92.25 J1.17@41.104,92.146
NetJ1_18: J1.18 R3.1 | length 7.5
  Top Layer w0.203: J1.18@41,94.25 42.012,93.238 42.012,87.224 R3.1@41.961,87.173
NetJ1_19: J1.19 R4.1 | length 2.3
  Top Layer w0.203: R4.1@43.002,90.007 43,90.009 J1.19@43,92.25 43,92.276 J1.19@43.028,92.304
NetJ1_20: J1.20 R5.1 | length 7.6
  Top Layer w0.203: J1.20@43,94.25 43.993,93.257 R5.1@43.993,87.02
NetJ1_21: J1.21 R7.1 | length 2.2
  Top Layer w0.203: J1.21@45,92.25 45.009,92.241 R7.1@45.009,90.043
NetJ1_22: J1.22 R8.1 | length 7.8
  Top Layer w0.203: J1.22@45,94.25 46.025,93.225 46.025,87.02 R8.1@45.949,86.944
NetJ2_1: J2.1 R9.2 U3.5 | length 10.4
  Top Layer w0.237: U3.5@90.983,26.314 90.979,26.318 90.174,26.318 v1(90.17,26.314) 90.17,29.185 90.399,29.413 R9.2@91.415,29.413 ; v1(93.37,25.578) 93.378,25.586 95.213,25.586 J2.1@95.221,25.594
  Bottom Layer w0.237: v1(90.17,26.314) 90.907,25.578 v1(93.37,25.578)
NetJ2_4: J2.4 U3.4 | length 4.8
  Top Layer w0.203: U3.4@90.983,27.371 91.041,27.371 91.041,27.562 91.444,27.965 92.939,27.965 93.36,27.544 J2.4@95.221,27.544
NetJ3_2: J3.2 U1.63 | length 73.6
  Top Layer w0.203: U1.63@57.372,49.994 59.617,49.994 v1(59.665,49.946) ; v1(70.566,24.994) 70.561,24.994 68.428,22.86 68.428,7.087 70.968,4.547 86.462,4.547 87.3,5.385 J3.2@87.3,7.933
  Bottom Layer w0.203: v1(59.665,49.946) 59.706,49.946 60.243,49.409 60.543,49.409 61.646,48.307 61.646,40.259 70.587,31.318 70.587,25.014 v1(70.566,24.994)
NetJ4_2: J4.2 U1.64 | length 61.3
  Top Layer w0.203: U1.64@57.725,50.5 60.015,50.5 v1(60.503,50.013) ; v1(70.612,24.105) 68.834,22.327 68.834,7.442 71.196,5.08 75.133,5.08 75.8,5.747 J4.2@75.8,7.933
  Bottom Layer w0.203: v1(60.503,50.013) 60.503,49.953 62.027,48.429 62.027,40.411 71.12,31.318 71.12,24.613 v1(70.612,24.105)
NetJ5_1: J5.1 Q6.3 | length 4.5
  Top Layer w0.508: Q6.3@66.4,12.298 Q6.3@66.497,12.395
  Top Layer w0.762: J5.1@66.4,7.933 Q6.3@66.4,12.298
NetJ6_1: J6.1 Q8.3 | length 9.3
  Top Layer w0.762: J6.1@57,7.933 57.023,7.956 57.023,10.135 57.709,10.82 62.154,10.82 62.636,11.303 Q8.3@62.636,12.283
NetJ7_1: J7.1 U8.9 U8.12 | length 21.7
  Top Layer w0.254: U8.12@11.684,24.696 11.684,23.495 12.014,23.165 15.519,23.165 ; U8.9@15.494,24.663 15.519,24.638 15.519,23.165 ; J7.1@16.713,8.611 16.713,21.057 15.519,22.25 15.519,23.165
NetJ7_2: J7.2 U8.8 | length 11.6
  Top Layer w0.254: J7.2@14.732,7.976 14.732,11.862 15.494,12.624 U8.8@15.494,19.246
NetJ7_3: J7.3 U8.7 | length 12.5
  Top Layer w0.254: J7.3@12.598,7.417 12.725,7.544 12.725,11.278 14.224,12.776 U8.7@14.224,19.246
NetJ8_2: J8.2 U1.37 | length 36
  Top Layer w0.203: J8.2@45.6,7.933 45.6,26.804 49.5,30.704 U1.37@49.5,42.275
NetJ8_3: J8.3 J11.3 R129.1 U1.66 | length 70.8
  Top Layer w0.203: J11.3@28.2,6.7 J11.3@28.2,7.933 ; J11.3@28.39,9.373 29.533,10.516 33.172,10.516 34.036,9.652 34.036,7.645 36.347,5.334 42.215,5.334 43.612,6.731 J8.3@43.612,6.883 ; J8.3@43.6,7.933 43.6,29.376 46.264,32.04 R129.1@46.264,33.477 46.264,35.52 47.498,36.754 v1(47.498,39.903) ; v1(56.007,51.029) 56.007,51.036 56.471,51.5 U1.66@57.364,51.5
  Bottom Layer w0.203: v1(47.498,39.903) 47.498,42.621 55.905,51.029 v1(56.007,51.029)
NetJ8_4: J8.4 J11.4 R130.1 U1.67 | length 72.9
  Top Layer w0.203: J11.4@26.035,9.195 26.212,9.195 26.598,9.581 26.598,9.631 27.915,10.947 33.249,10.947 34.442,9.754 34.442,7.798 36.5,5.74 40.665,5.74 41.986,7.061 41.986,7.547 J8.4@41.6,7.933 41.6,10.866 43.028,12.294 43.028,29.693 44.755,31.42 R130.1@44.755,33.35 ; R130.1@44.77,33.477 44.77,34.915 46.914,37.059 v1(46.914,39.268) ; v1(56.185,51.994) 57.531,51.994 U1.67@57.534,51.997
  Bottom Layer w0.203: v1(46.914,39.268) 46.914,42.723 v1(56.185,51.994)
NetJ9_2: J9.2 S1.3 S1.4 | length 12.7
  Top Layer w0.203: S1.3@32.334,30.582 32.603,30.85 S1.4@32.603,38.992 ; S1.4@32.603,39.17 S1.4@32.603,38.992 ; J9.2@35.636,36.754 33.978,38.412 33.182,38.412 S1.4@32.603,38.992
NetJ11_2: J11.2 U1.38 | length 56.7
  Top Layer w0.203: J11.2@30.2,7.933 30.2,6.683 31.93,4.953 45.847,4.953 46.66,5.766 46.66,26.822 50,30.163 U1.38@50,42.275
NetJ12_6: J12.6 U1.90 | length 62.4
  Top Layer w0.203: v1(48.666,60.122) 48.666,60.053 49,59.719 U1.90@49,57.725 ; v1(52.116,66.573) 52.116,66.645 59.919,74.447 v1(59.919,85.242) ; J12.6@79.68,95.987 J12.6@79.705,95.961 ; v1(79.68,97.917) 79.68,96.012 J12.6@79.832,95.86
  Bottom Layer w0.203: v1(48.666,60.122) 48.595,60.193 48.595,63.052 v1(52.116,66.573) ; v1(59.919,85.242) 59.954,85.277 59.954,89.138 69.464,98.649 78.948,98.649 v1(79.68,97.917)
NetJ12_7: J12.7 U1.77 | length 58.5
  Top Layer w0.203: v1(53.442,65.735) 53.442,66.426 61.189,74.173 61.189,85.269 v1(61.209,85.289) ; U1.77@55.5,57.725 55.5,60.015 55.728,60.243 v1(55.728,60.35) ; J12.7@78.41,95.707 J12.7@78.664,95.453 ; J12.7@78.41,95.91 v1(78.41,97.485)
  Bottom Layer w0.203: v1(53.442,65.735) 53.95,65.735 55.728,63.957 v1(55.728,60.35) ; v1(61.209,85.289) 61.193,85.305 61.193,89.057 69.621,97.485 v1(78.41,97.485)
NetJ12_8: J12.8 U1.89 | length 58.7
  Top Layer w0.203: v1(49.149,60.808) 49.5,60.457 U1.89@49.5,57.725 ; v1(52.888,66.497) 60.508,74.117 v1(60.508,85.903) ; J12.8@77.14,96.012 v1(77.14,98.095)
  Bottom Layer w0.203: v1(49.149,60.808) 49.149,62.814 52.832,66.497 v1(52.888,66.497) ; v1(60.508,85.903) 60.508,89.032 69.571,98.095 v1(77.14,98.095)